# KiCad board Soldered Inkplate 6 FLICK_panel.kicad_pcb (continued)
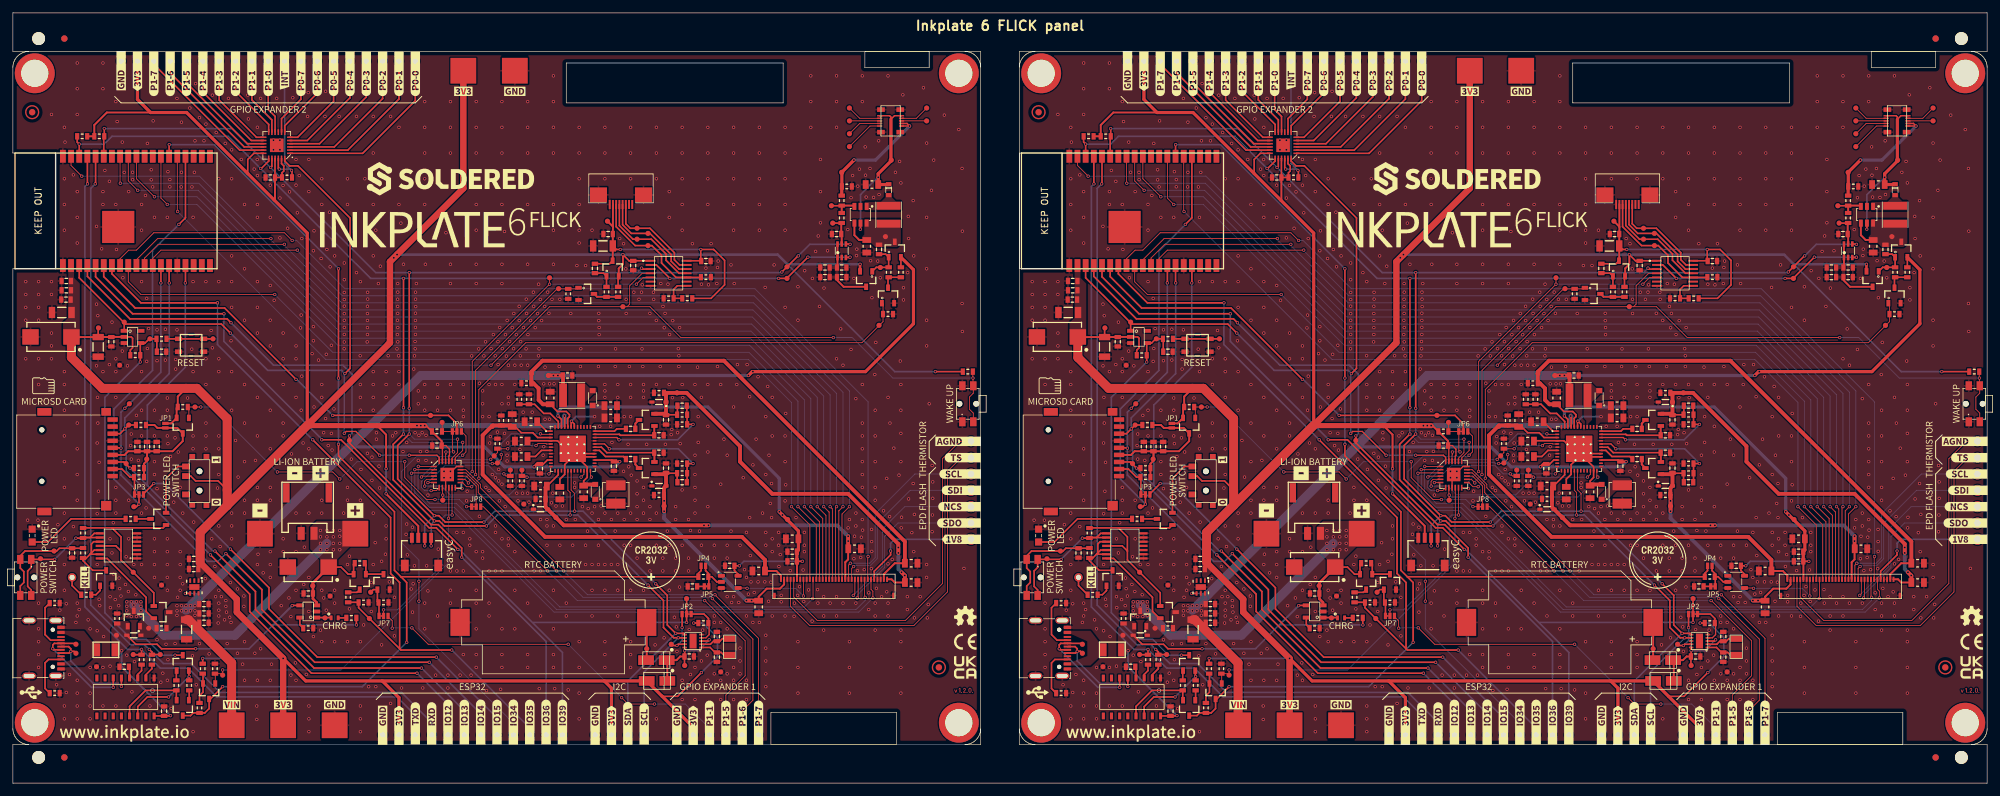
[diagram p0: board, top side]
## Routing (per net, layer and track width the routed paths; a pad name or vN(x,y) marks a point on that pad's centre or on a via; arc(x,y) is an arc through that point) (continued)
Board_1-GPB4: length 40.8
  Top w0.127: v1(228.3,48) 228.3,64.2 240.98,76.88 R46.2 244.13,76.88 Q11.1 ; U13.14 226.65,47.25 227.19,46.71 v1(227.19,46.69)
  Bottom w0.127: v1(228.3,48) 227.19,46.89 v1(227.19,46.69)
Board_1-GPIO15: length 75.4
  Top w0.254: v1(222.2,19.6) 203.7,19.6 196.2,27.1 196.2,30.4 v1(190.2,36.4) ; JP2.3 176.7,45 v1(178.3,46.6)
  Bottom w0.254: v1(190.2,36.4) 180,46.6 v1(178.3,46.6) ; v1(222.2,19.6) 231.64,10.16 K39.1
Board_1-GPIO_0: length 187.1
  Top w0.254: 216.7,32.1 R58#2.1 262.93,32.63 263.35,33.05 JP4.1 ; 216.7,32.1 215.7,33.1 215.7,42.2 207,50.9 v1(207,52.7) ; 216.7,32.1 217.6,31.2 v1(217.6,21.9) ; v1(180.7,99.3) 180.68,99.28 U14.25 ; v1(207,80) v1(207,63) ; Q5.3 184,10.5 184.43,10.93 R21.1 186.23,10.93 186.9,11.6 Q1.3 187.1,13.1 v1(189,15)
  Bottom w0.254: v1(180.7,99.3) 187.7,99.3 v1(207,80) ; v1(217.6,21.9) 210.7,15 v1(189,15) ; v1(207,63) v1(207,52.7)
Board_1-GPIO_0_MOSFET: length 57.1
  Top w0.127: v1(224.09,41.19) 224.15,41.24 U13.10 ; TP14.TP 188.78,17.03 R19#2.2 187.85,16.98 Q1.1 ; 189,17.03 v1(189,17.6)
  Bottom w0.127: v1(224.09,41.19) 224.1,41.18 224.1,34.3 207.4,17.6 v1(189,17.6)
Board_1-GPIO_36: length 241
  Top w0.127: R41#2.1 305.58,63.03 v1(305.6,63) 305.6,61.85 SW3#2.2 305.65,60.65 305.05,60.05 305.05,58.15 305.65,57.55 SW3#2.2 ; v1(230.7,65) 239.8,74.1 251.85,74.1 ; v1(283.9,69.3) 260.2,69.3 255.4,74.1 251.85,74.1 ; U8.4 254.2,79.3 252.25,77.35 252.25,74.5 251.85,74.1
  Top w0.254: v1(208.7,54) 208.7,52.9 221.4,40.2 222.52,40.2 226.15,36.57 v1(226.15,35.15) ; U14.4 167.98,78.82 174.6,72.2 189.7,72.2 v1(190.3,71.6)
  Bottom w0.127: v1(305.6,63) 293.15,63 286.85,69.3 v1(283.9,69.3) ; v1(230.7,65) 207.5,65 ; 207.79,64.89 207.79,64.91
  Bottom w0.254: v1(226.15,35.15) 239.26,22.04 K38#2.1 ; v1(208.7,54) 209.1,54.4 209.1,63.6 208.58,64.12 208.56,64.12 207.69,65 196.9,65 v1(190.3,71.6)
Board_1-GPIO_39: length 141.4
  Top w0.254: v1(189.2,73) 175,73 169.25,78.75 U14.5 ; TP73.TP JP3#2.2 v1(261.1,25) ; v1(204.4,53.4) 207.4,53.4 221.1,39.7 222.2,39.7 v1(225.55,36.35)
  Bottom w0.254: v1(225.55,36.35) 225.77,36.35 241.8,20.32 K37.1 ; v1(189.2,73) 189.2,68.7 204.4,53.5 v1(204.4,53.4) ; v1(261.1,25) 237.3,25
Board_1-I2C_SCL: length 274.8
  Top w0.127: U1.17 242.65,45.55 243,45.2 v1(243,41.7) ; v1(226.3,53) 226.3,51.74 225.15,50.59 U13.19
  Top w0.254: R3.1 166.4,99.71 v1(166.71,99.39) U14.36 ; v1(221.4,36.9) K2#2.1 ; v1(194.9,95.6) 195,95.6 196.15,96.75 U15#2.19 ; v1(217.1,58.4) v1(217.1,78.5) ; v1(230,40) 223.45,40 222.67,40.78 v1(221.9,40.78) 215.5,47.18 215.5,52.7 v1(217.1,54.3) ; v1(255.1,30.8) 257.5,28.4 257.5,24.2 259.09,22.61 v1(259.81,22.61) 259.82,22.6 U7#2.7 ; 286.45,81.75 U9.3 ; v1(275.4,78.5) 276.65,78.5 v1(279.95,81.8) ; U8.2 256.4,80.6 v1(258.5,78.5)
  Bottom w0.127: v1(226.3,53) 226.29,52.99 218.41,52.99 v1(217.1,54.3)
  Bottom w0.254: K4.1 254.5,17.3 v1(259.81,22.61) ; v1(166.71,99.39) 170.59,99.39 171.8,100.6 189.9,100.6 212,78.5 v1(217.1,78.5) v1(275.4,78.5) ; v1(221.4,36.9) 221.4,40.28 v1(221.9,40.78) ; v1(230,40) 231.7,41.7 v1(243,41.7) 244.2,41.7 v1(255.1,30.8) ; v1(217.1,54.3) v1(217.1,58.4) ; v1(286.5,81.8) v1(279.95,81.8)
Board_1-I2C_SCL_B: length 15.7
  Top w0.254: K12.3 251.65,87 252.35,86.3 255.4,86.3 259.2,82.5 259.2,81.4 260,80.6 U8.13
Board_1-I2C_SDA: length 271.1
  Top w0.127: v1(225.5,53.5) 225.5,51.4 224.65,50.55 U13.20 ; U1.18 243.15,45.6 243.7,45.05 v1(243.7,42.3)
  Top w0.254: U14.33 170.52,100.52 R4.1 170.61,101.8 v1(170.6,101.8) ; v1(229.6,40.6) 229.59,40.61 223.59,40.61 222.6,41.6 v1(221.9,41.6) 216.2,47.3 216.2,52.5 v1(218,54.3) ; v1(286.5,83.8) 286.45,83.85 U9.4 ; v1(278.45,82) 278.4,82 v1(275.9,79.5) ; v1(256.3,31) 258.1,29.2 258.1,24.6 v1(259.4,23.3) 260.6,23.3 U7#2.6 ; v1(196.45,95.75) 196.65,95.95 U15#2.20 ; v1(254.1,80.1) 254.25,79.95 U8.3 ; v1(218,58.3) v1(218,79.4) ; v1(220.4,36.9) K2#2.2
  Bottom w0.127: v1(218,54.3) 218.8,53.5 v1(225.5,53.5)
  Bottom w0.254: v1(278.45,82) 280.25,83.8 v1(286.5,83.8) ; 253.4,79.4 212.8,79.4 v1(196.45,95.75) 190.4,101.8 v1(170.6,101.8) ; 253.4,79.4 275.8,79.4 v1(275.9,79.5) ; 253.4,79.4 v1(254.1,80.1) ; v1(218,54.3) v1(218,58.3) ; K5.1 251.96,15.86 v1(259.4,23.3) ; v1(221.9,41.6) 220.4,40.1 v1(220.4,36.9) ; v1(229.6,40.6) 231.3,42.3 v1(243.7,42.3) 245,42.3 256.3,31 v1(256.3,31)
Board_1-I2C_SDA_B: length 16.6
  Top w0.254: U8.12 259.91,79.95 258.7,81.16 258.7,82.2 255.4,85.5 252.51,85.5 251.15,86.86 K12.4
Board_1-INT: length 28.8
  Top w0.127: v1(230.9,49.7) 231.6,49.7 232.3,50.4 v1(232.3,51.1) ; v1(238.39,54.33) 238.46,54.25 U1.2 ; U13.7 222.2,45.5 v1(221.4,45.5)
  Bottom w0.127: v1(238.39,54.33) 233.83,54.33 232.3,52.8 v1(232.3,51.1) ; v1(221.4,45.5) 220.38,45.5 219.89,45.99 219.89,46.89 222.9,49.9 230.18,49.9 230.38,49.7 v1(230.9,49.7)
Board_1-INTB: length 9
  Top w0.127: TP59.TP 223.1,54.73 R59.2 JP6#2.1 224.7,51.7 v1(224.89,51.51) ; v1(223.7,51.5) 223.7,51.1 223.65,51.05 U13.22
  Bottom w0.127: v1(223.7,51.5) 223.71,51.51 v1(224.89,51.51)
Board_1-IO34: length 67.3
  Top w0.254: v1(206.1,57.2) 224.1,57.2 225.4,55.9 JP6#2.2 ; U14.6 170.52,78.78 175.4,73.9 189.3,73.9 v1(200.4,62.8)
  Bottom w0.254: v1(206.1,57.2) 200.5,62.8 v1(200.4,62.8)
Board_1-MANUAL_RST: length 63.8
  Top w0.254: C26.2 178.77,69.06 R26.2 177.6,69.1 176.95,68.45 U3.4 176.2,68.35 R29.1 v1(176.2,65.5) ; Q4#2.3 v1(181.6,19.9)
  Bottom w0.254: v1(181.6,19.9) 179.6,19.9 177.1,22.4 174.8,22.4 170.7,26.5 170.7,60 v1(176.2,65.5)
Board_1-Net-(C18-Pad1): length 1.6
  Top w0.3: C18#2.1 253.13,49.57 D6#2.3
Board_1-Net-(C19-Pad2): length 1.6
  Top w0.3: D7#2.3 253.13,55.93 C19#2.2
Board_1-Net-(C23-Pad2): length 1.8
  Top w0.254: C23#2.2 174.54,18 U2.4
Board_1-Net-(C43-Pad1): length 3.7
  Top w0.254: R48#2.1 Q12#2.1 248.18,79.32 C43.1
Board_1-Net-(C46-Pad1): length 8.5
  Top w0.3: U9.6 U9.1 284.55,80.28 ; Q13#2.3 285.5,77.2 284.47,78.23
Board_1-Net-(C61-Pad2): length 1.1
  Top w0.254: JP5.1 C61.2
Board_1-Net-(D8-Pad1): length 16
  Top w0.254: R32.2 165.45,41.1 161.85,37.5 D8.1
Board_1-Net-(D10-Pad1): length 1.3
  Top w0.254: D10#2.1 R38.2
Board_1-Net-(JP2-Pad1): length 6.6
  Top w0.254: K9#2.2 173.35,48.85 174.6,47.6 R42.1 175.3,47.53 JP2.1
Board_1-Net-(JP3-Pad1): length 6.9
  Top w0.2: U7#2.4 264.1,22.6 264.6,23.1 264.6,24.9 264.5,25
  Top w0.254: 264.5,25 264.5,25.6 263.8,26.3 JP3#2.1
Board_1-Net-(JP4-Pad2): length 5.8
  Top w0.254: JP5.2 264.55,32.03 R58#2.2 ; R58#2.2 265,32.1 265.8,31.3 U12.2 ; R58#2.2 264.48,32.63 264.05,33.05 JP4.2
Board_1-Net-(JP6-Pad3): length 62.9
  Top w0.127: v1(219.5,28.3) v1(219.5,31.4) ; JP6#2.3 226.81,53.99 226.81,51.51 v1(226.3,51)
  Bottom w0.127: v1(226.3,51) 226.1,50.8 219.1,50.8 216.8,48.5 216.8,37.4 219.5,34.7 v1(219.5,31.4) ; v1(219.5,28.3) 219.5,24 234.18,9.32 K16.1
Board_1-Net-(JP7-Pad2): length 6.3
  Top w0.127: U13.15 226.85,47.75 228.4,46.2 JP7.2
Board_1-Net-(JP7-Pad3): length 65.6
  Top w0.127: JP7.3 229.5,43 v1(239.5,33) ; v1(263.9,28.39) 263.96,28.39 270.2,22.14 270.2,16.7 267.2,13.7 K27.1
  Bottom w0.127: v1(239.5,33) 244.11,28.39 v1(263.9,28.39)
Board_1-Net-(JP8-Pad2): length 26.3
  Top w0.127: U13.11 224.65,41.71 v1(224.66,41.7) ; v1(214,26.95) JP8.2
  Bottom w0.127: v1(224.66,41.7) 223.6,41.7 223.2,41.3 223.2,34 216.15,26.95 v1(214,26.95)
Board_1-Net-(JP8-Pad3): length 58.9
  Top w0.127: v1(251,13.3) 252,12.3 v1(256.1,12.3) ; v1(215.35,24.1) 215.35,25.25 214.7,25.9 ; v1(218.4,24.15) 220.95,21.6 v1(242.7,21.6)
  Bottom w0.127: K28.1 264.66,8.54 260.9,12.3 v1(256.1,12.3) ; v1(215.35,24.1) 215.4,24.15 v1(218.4,24.15) ; v1(251,13.3) v1(242.7,21.6)
Board_1-Net-(K1-PadA5): length 8
  Top w0.254: K1.A5 162.26,22.24 161.4,23.1 161.4,27.28 R18.1
Board_1-Net-(K1-PadB5): length 7.7
  Top w0.254: R17#2.1 161.4,14.73 161.4,18.7 161.94,19.24 K1.B5
Board_1-Net-(K7-Pad1): length 3.3
  Top w0.254: R34#2.2 165.6,30.73 K7#2.1
Board_1-Net-(K11-Pad2): length 6
  Top w0.127: K11.2 289.6,102.2 TP1#2.TP
Board_1-Net-(K11-Pad4): length 5.4
  Top w0.127: K11.4 288,102.6 TP2.TP
Board_1-Net-(K11-Pad5): length 3.9
  Top w0.127: K11.5 TP3#2.TP
Board_1-Net-(K11-Pad6): length 4.7
  Top w0.127: K11.6 TP4.TP
Board_1-Net-(K11-Pad7): length 4.6
  Top w0.127: K11.7 296.8,103.4 TP5.TP
Board_1-Net-(K11-Pad8): length 5.4
  Top w0.127: TP6#2.TP 288,103.4 K11.8
Board_1-Net-(K14-Pad1): length 19.4
  Top w0.254: v1(292.8,36.1) 292.8,35.5 290.25,32.95 K15#2.30
  Bottom w0.254: v1(292.8,36.1) 292.8,37.3 293.42,37.92 K14#2.1
Board_1-Net-(K14-Pad2): length 28.6
  Top w0.127: v1(287.6,28.8) 287.75,28.95 K15#2.25
  Bottom w0.127: v1(287.6,28.8) 287.6,29.25 291.85,33.5 291.85,38.35 293.96,40.46 K14#2.2
Board_1-Net-(K14-Pad3): length 30
  Top w0.127: v1(287,29.2) 287.25,29.45 K15#2.24
  Bottom w0.127: K14#2.3 295,43 291.52,39.52 291.52,33.72 v1(287,29.2)
Board_1-Net-(K14-Pad4): length 28.5
  Top w0.127: K15#2.23 286.75,33.39 v1(287.05,33.69)
  Bottom w0.127: K14#2.4 295.84,45.54 290.73,40.43 290.73,34.91 289.69,33.87 287.24,33.87 v1(287.05,33.69)
Board_1-Net-(K14-Pad5): length 31.1
  Top w0.127: K15#2.22 286.25,33.9 v1(286.55,34.2)
  Bottom w0.127: K14#2.5 296.58,48.08 290.4,41.9 290.4,35.05 289.55,34.2 v1(286.55,34.2)
Board_1-Net-(K29-Pad1): length 29
  Top w0.254: K29#2.1 218.94,106.14 210.75,97.95 U15#2.1
Board_1-Net-(K30-Pad1): length 26.1
  Top w0.254: U15#2.2 208.45,98.45 216.4,106.4 K30.1
Board_1-Net-(K31-Pad1): length 23.4
  Top w0.254: U15#2.3 206.35,98.95 213.86,106.46 K31.1
Board_1-Net-(K32-Pad1): length 20.5
  Top w0.254: K32#2.1 211.32,106.72 204.05,99.45 U15#2.4
Board_1-Net-(K33-Pad1): length 17.8
  Top w0.254: U15#2.5 202.15,99.95 208.78,106.58 K33#2.1
Board_1-Net-(K34-Pad1): length 15.4
  Top w0.254: U15#2.6 200.65,100.45 206.24,106.04 K34.1
Board_1-Net-(K35-Pad1): length 13.1
  Top w0.254: K35#2.1 203.7,107.3 198.65,102.25 U15#2.7
Board_1-Net-(K36-Pad1): length 12.3
  Top w0.254: K36#2.1 201.16,106.36 198.15,103.35 U15#2.8
Board_1-Net-(K43-Pad1): length 11.5
  Top w0.254: K43.1 196.08,104.77 197.15,103.7 U15#2.10
Board_1-Net-(K44-Pad1): length 12.3
  Top w0.254: K44#2.1 193.54,106.26 196.65,103.15 U15#2.11
Board_1-Net-(K45-Pad1): length 13.2
  Top w0.254: K45#2.1 191,107.6 196.15,102.45 U15#2.12
Board_1-Net-(K46-Pad1): length 15.3
  Top w0.254: U15#2.13 194.25,100.45 188.46,106.24 K46#2.1
Board_1-Net-(K47-Pad1): length 17.4
  Top w0.254: K47#2.1 185.92,107.48 193.45,99.95 U15#2.14
Board_1-Net-(K48-Pad1): length 19.3
  Top w0.254: K48#2.1 183.38,108.92 192.85,99.45 U15#2.15
Board_1-Net-(K49-Pad1): length 21.1
  Top w0.254: K49.1 180.84,110.46 192.35,98.95 U15#2.16
Board_1-Net-(K50-Pad1): length 23.1
  Top w0.254: U15#2.17 191.65,98.45 178.3,111.8 K50#2.1
Board_1-Net-(Q1-Pad2): length 4.8
  Top w0.254: R20.1 185.95,16.98 Q1.2 185.95,14.15 185.4,13.6 R21.2
Board_1-Net-(Q2-Pad3): length 4.5
  Top w0.254: Q2#2.3 Q3.1 211.25,34.03 R25.1
Board_1-Net-(Q3-Pad3): length 2
  Top w0.254: Q3.3 209.88,29.68 R27#2.2
Board_1-Net-(Q4-Pad1): length 1.5
  Top w0.254: Q4#2.1 181.8,17.45 R30.1
Board_1-Net-(Q5-Pad1): length 1.5
  Top w0.254: Q5.1 183.8,12.95 R31.1
Board_1-Net-(Q6-Pad2): length 9.2
  Top w0.254: S1.3 182.05,49.25 180.2,47.4 Q6.2
Board_1-Net-(Q6-Pad3): length 2.3
  Top w0.254: R32.1 Q6.3
Board_1-Net-(Q8-Pad1): length 2.4
  Top w0.254: R34#2.1 169.3,29.3 169.95,29.95 Q8#2.1
Board_1-Net-(Q8-Pad3): length 12.2
  Top w0.254: U4.10 168.95,37.55 168.6,37.2 168.6,35.8 168.55,35.75 ; U4.13 168.4,35.6 ; 168.4,35.6 167.83,35.03 R37.2 167.3,34.6 168.8,33.1 Q8#2.3 ; 168.4,35.6 168.55,35.75 ; 168.55,35.75 169.05,36.25 U4.12
Board_1-Net-(Q11-Pad3): length 3.9
  Top w0.254: R47#2.1 R48#2.2 247.18,75.63 Q11.3
Board_1-Net-(Q14-Pad3): length 3.4
  Top w0.254: Q14.3 292.4,78.58 ; R53#2.1 R52.1
Board_1-Net-(R39-Pad1): length 1.9
  Top w0.254: R39.1 201,24.63 U6.5
Board_1-Net-(R49-Pad1): length 5
  Top w0.254: U8.8 259.65,77.35 259.08,76.78 R50#2.1 R49#2.1
Board_1-PWR-SW-A: length 20.5
  Top w0.254: 167.8,38.2 168.4,38.2 169.05,38.85 U4.8 ; v1(162.9,34.8) SW2.1 159.25,33.55 158.7,33 158.7,30.6 159.25,30.05 SW2.1 ; v1(166.2,38.1) 167.28,38.1 R35#2.1 167.38,38.2 U4.9
  Bottom w0.254: v1(162.9,34.8) v1(166.2,38.1)
Board_1-PWR-SW-B: length 16.9
  Top w0.254: SW2.2 157.55,30.65 158.1,31.2 158.1,32.9 157.55,33.45 SW2.2 157.55,35.35 158.3,36.1 163.2,36.1 163.63,36.53 C31#2.2 167.26,36.53 R37.1
Board_1-PWR_GOOD: length 27.5
  Top w0.127: U1.24 246.15,47.75 v1(246.3,47.6) ; U13.8 223.15,44.85 v1(223.2,44.8) TP40#2.TP
  Bottom w0.127: v1(246.3,47.6) 243.2,44.5 223.5,44.5 v1(223.2,44.8)
Board_1-PWRUP: length 31.3
  Top w0.127: TP36.TP R7.1 236.11,47.78 v1(236.3,47.59) ; v1(244.7,47.6) 245.15,48.05 U1.22 ; v1(220.4,46.2) 220.39,46.21 220.39,46.95 220.69,47.25 U13.5
  Bottom w0.127: v1(244.7,47.6) 244.69,47.59 v1(236.3,47.59) 233.54,44.83 224.37,44.83 223,46.2 v1(220.4,46.2)
Board_1-RST: length 116.1
  Top w0.2: v1(213.4,51) 209.7,54.7 208.2,54.7 v1(207.9,54.4) ; v1(218,51) 222.3,51 222.65,50.65 U13.24
  Top w0.254: 173.55,71.75 166.71,78.59 U14.3 ; 173.55,71.75 173.9,71.4 188.8,71.4 v1(190.2,70) ; 173.55,71.75 173.7,71.6 U3.1 ; v1(208,63.7) 208.8,64.5 208.8,87.9 200.7,96 199.4,96 198.65,96.75 U15#2.24
  Bottom w0.2: v1(213.4,51) v1(218,51) ; 207.9,63.6 v1(207.9,54.4)
  Bottom w0.254: 207.9,63.6 v1(208,63.7) 207.5,64.2 196,64.2 v1(190.2,70)
Board_1-RST-SW: length 7.2
  Top w0.254: R26.1 SW1#2.2 SW1#2.2 TP68#2.TP
Board_1-RTC-BATT: length 5.9
  Top w0.3: D12.1 254.9,19.23 K10.+
Board_1-RXD: length 134.8
  Top w0.254: v1(169.2,93.2) 169.25,93.25 U14.34 ; v1(177.6,20.8) 178,20.4 R23.2 178.03,20 179.2,20
  Bottom w0.254: K23.1 221.48,9.42 216.8,14.1 188.6,14.1 184.1,18.6 179.8,18.6 v1(177.6,20.8) 176.9,21.5 174.7,21.5 168.5,27.7 168.5,92.5 v1(169.2,93.2)
Board_1-SD_ENABLE: length 56
  Top w0.127: v1(207.2,47.3) 206.1,48.4 v1(197.5,48.4) ; v1(222,44.1) 220.7,44.1 217.3,47.5 v1(217.3,50) ; Q10#2.1 183.75,58.33 R40#2.2 v1(185.6,58.5) ; v1(226.9,43) JP7.1
  Bottom w0.127: v1(197.5,48.4) 187.4,58.5 v1(185.6,58.5) ; v1(217.3,50) 209.9,50 v1(207.2,47.3) ; v1(222,44.1) 225.8,44.1 v1(226.9,43)
Board_1-SPI_CS: length 62.8
  Top w0.254: TP54.TP 175.6,43 v1(176,43.4) JP2.2 ; v1(182.2,86.9) 183.22,87.92 U14.23
  Bottom w0.254: v1(176,43.4) 172.1,47.3 172.1,58.2 178.1,64.2 178.1,82.8 v1(182.2,86.9)
Board_1-SPI_MISO: length 110.5
  Top w0.254: U14.14 180.68,77.82 v1(180.7,77.8) ; v1(219.2,17.1) 202.8,17.1 193.2,26.7 193.2,29.4 v1(187.1,35.5) ; R45.1 TP57.TP 173.05,54.35 K9#2.7
  Bottom w0.254: v1(219.2,17.1) 224.02,12.28 K25#2.1 ; v1(187.1,35.5) 174,48.6 174,54.9 v1(173.8,55.1) 173.8,56.8 180.7,63.7 v1(180.7,77.8)
Board_1-SPI_MOSI: length 113.4
  Top w0.254: U14.16 183.22,77.82 v1(183.2,77.8) ; K9#2.3 173.65,49.95 v1(174.6,49) R43.1 ; v1(219.9,17.9) 203.2,17.9 194.1,27 194.1,29.8 v1(187.8,36.1)
  Bottom w0.254: v1(187.8,36.1) 187.5,36.1 v1(174.6,49) ; v1(219.9,17.9) 226.56,11.24 K26#2.1 ; v1(183.2,77.8) 183.2,64.7 177.3,58.8 177.3,46.3
Board_1-SPI_SCK: length 114.9
  Top w0.127: TP56#2.TP v1(173.8,58.3)
  Top w0.254: v1(189.5,35.7) 195.1,30.1 195.1,27 203.3,18.8 v1(221.1,18.8) ; K9#2.5 173.15,52.15 v1(173.2,52.1) ; U14.13 179.41,77.81 v1(179.4,77.8)
  Bottom w0.254: K24.1 229.1,10.8 v1(221.1,18.8) ; v1(179.4,77.8) 179.4,63.9 v1(173.8,58.3) 173.2,57.7 v1(173.2,52.1) 173.2,47.9 186.6,34.5 188.3,34.5 v1(189.5,35.7)
Board_1-SW_IN: length 13.5
  Top w0.254: U4.14 171.05,34.95 177.1,28.9 177.1,26.7 178.15,25.65 Q9#2.2
Board_1-SW_OUT_D: length 31.6
  Top w0.254: U4.11 172.4,36.9 173.2,36.1 ; 171.8,39.7 173.2,38.3 173.2,36.1 ; 171.8,39.7 167.33,39.7 R35#2.2 ; 171.8,39.7 179.75,39.7 Q6.1 ; Q9#2.1 178.3,29.6 173.2,34.7 173.2,36.1
Board_1-TOUCH_INT_B: length 17.4
  Top w0.254: K12.5 250.65,86.71 252.77,84.6 255.6,84.6 257.9,82.3 257.9,81.32 259.92,79.3 U8.11
Board_1-TOUCH_RESET: length 55.7
  Top w0.127: U13.12 226.05,45.95 v1(226.2,45.8) ; v1(253.3,77.6) 254.35,78.65 U8.5 ; TP21.TP v1(239.8,77.6) 227.78,65.58 v1(227.78,48.47)
  Bottom w0.127: v1(226.2,45.8) 226.2,46.89 v1(227.78,48.47) ; v1(239.8,77.6) v1(253.3,77.6)
Board_1-TOUCH_RESET_B: length 20.6
  Top w0.254: R57#2.1 263.28,78.65 U8.10 259.45,78.65 257.2,80.9 257.2,82.1 255.7,83.6 253.1,83.6 250.15,86.55 K12.6
Board_1-TS: length 55.3
  Top w0.127: K15#2.4 277.25,27.5 280.25,24.5 296.4,24.5 301.65,29.75 301.65,48.5 303.77,50.62 K13#2.2
Board_1-TXD: length 133.8
  Top w0.254: v1(168,93.2) 167.98,93.22 U14.35 ; v1(176.4,20.8) R22#2.2 175.13,19.98 TP16#2.TP
  Bottom w0.254: K20.1 218.94,10.56 216.1,13.4 188.1,13.4 183.6,17.9 179.3,17.9 v1(176.4,20.8) 174.2,20.8 167.6,27.4 167.6,92.8 v1(168,93.2)
Board_1-V_BAT: length 123
  Top w0.254: 216.55,20.85 210.13,27.28 R28#2.2 210.1,28.13 R27#2.1 ; 216.55,20.85 216.5,20.9 216.5,31.2 215.1,32.6 215.1,41.3 v1(203,53.4) ; 216.55,20.85 216.7,20.7 v1(224.6,20.7) ; v1(188.2,74.7) 176.3,74.7 171.79,79.21 U14.7
  Bottom w0.254: v1(203,53.4) 188.2,68.2 v1(188.2,74.7) ; K19#2.1 236.72,8.58 v1(224.6,20.7)
Board_1-V_BAT_MOS: length 5.5
  Top w0.254: TP60.TP 212.4,30.1 Q2#2.1 213.05,28.28 R24#2.2 213.3,28.03 213.3,25.9
Board_1-VBAT: length 51.2
  Top w0.254: C32#2.1 207.4,33.6 208.5,32.5 Q3.2 209.35,34.03 R25.2
  Top w0.4: U6.3 203.6,28.1 203.03,28.67 C33#2.2 203.03,31.16 C32#2.1
  Bottom w1.4: v1(175.2,27.7) 179.9,23 190.9,23 v1(205.2,37.3)
  vias: v1(174.1,28.2) v1(174.1,27.5) v1(174.1,26.8) v1(174.1,26.1) v1(174.8,28.2) v1(174.8,25.9) v1(175.6,28.2) v1(175.6,25.9) v1(176.3,28.2) v1(176.3,27.5) v1(176.3,26.8) v1(176.3,26.1) v1(204.2,39.3) v1(204.2,38.3) v1(204.2,37.3) v1(204.2,36.3) v1(205.2,39.3) v1(205.2,38.3) v1(205.2,36.3) v1(206.2,39.3) v1(206.2,38.3) v1(206.2,37.3) v1(206.2,36.3) v1(207.2,39.3) v1(207.2,38.4) v1(207.2,37.3) v1(207.2,36.3)
Board_1-VCOM: length 63.7
  Top w0.254: C6#2.2 239.4,46.2 241.15,47.95 U1.14
  Top w0.3: 286.2,36.45 286.2,34.8 285.75,34.35 K15#2.21
  Top w0.6: 286.2,36.45 v1(286.2,38.4) ; C6#2.2 239.18,46 R11#2.2 239.18,42.93 D3.1 242,40.1 v1(264.5,40.1)
  Bottom w0.6: v1(263.8,40.1) 284.5,40.1 v1(286.2,38.4) v1(286.2,37.65)
Board_1-VCOM_CTRL: length 24.7
  Top w0.127: v1(239.7,48.1) 240,48.4 U1.12 ; v1(220.9,46.74) 220.91,46.75 U13.6 ; v1(232.7,48.1) 233.03,47.78 R6.1 TP38#2.TP
  Bottom w0.127: v1(220.9,46.74) 223.54,49.37 230.33,49.37 231.6,48.1 v1(232.7,48.1) v1(239.7,48.1)
Board_1-VDDH: length 67.2
  Top w0.254: C16#2.2 259.67,57.35 R13.2 257.97,57.3 C14#2.2
  Top w0.3: K15#2.34 292.95,31.7 293.45,31.2 C60.2
  Top w0.6: v1(294.5,32.8) 295.03,32.28 C60.2 ; D7#2.2 257.68,57.45 C14#2.2 D2.2 257.9,60.38 R10#2.2 261.1,60.7 269.4,52.4 269.4,50 274.4,45 286.2,45 294,37.2 v1(294,35.8)
  Bottom w0.6: v1(295,32.3) 294,33.3 v1(294,36.65)
Board_1-VEE: length 40.9
  Top w0.254: C15#2.2 257.97,48.2 R15#2.2 259.63,46.85 C17.2
  Top w0.3: K15#2.2 276.25,30.9 275.6,30.25 273.55,30.25 272.3,29 C57.2 272.28,28.4
  Top w0.6: v1(257.6,42.3) 257.6,44.78 R12.2 257.58,45.9 D5.1 C15#2.2 257.68,48.05 D6#2.1 ; v1(270.4,28.4) 272.28,28.4
  Bottom w0.6: v1(271.2,28.4) v1(270.4,28.4) 257.6,41.2 v1(257.6,42.3) v1(257.6,43.9)
Board_1-VIN: length 224.2
  Top w0.254: v1(183.2,29.5) 183.21,29.51 U5#2.4 ; C5#2.2 238.83,49.63 239.45,50.25 U1.10 ; 249.7,50.03 249.48,50.25 U1.27 ; R52.2 Q15.2
  Top w0.4: v1(237.4,49.2) 237.83,49.63 C5#2.2 ; v1(250.7,50) 249.73,50 249.7,50.03
  Top w0.5: v1(270.7,63.4) 271.3,64 288.9,64 296.35,71.45 296.35,79.85 Q15.2
  Top w0.6: L2.1 241.9,63.37 C10#2.2 TP23.TP
  Top w1.4: PAD1#2.1 190.4,18.7 183.68,25.43 C27.2
  Bottom w0.254: 185.75,29.35 185.6,29.5 v1(183.2,29.5)
  Bottom w0.5: v1(271.4,64) 271.3,64 v1(270.7,63.4) v1(241.1,63.4) ; 208.7,52.3 229.7,52.3 232.8,49.2 v1(237.4,49.2) 249.9,49.2 v1(250.7,50)
  Bottom w1: 183.3,26.9 v1(183.3,26.8)
  Bottom w1.4: v1(241.1,63.4) 219.8,63.4 183.3,26.9
  vias: v1(181.9,27.6) v1(181.9,26.8) v1(181.9,26.1) v1(182.6,27.6) v1(182.6,26.8) v1(183.3,27.6) v1(184,27.6) v1(184,26.8) v1(184.7,27.6) v1(184.7,26.8) v1(184.7,26.1) v1(240.4,63.4)
Board_1-VIN_BCK: length 4.1
  Top w0.3: U10.4 287.18,85.23 287.93,84.48 C54.2
Board_1-VNEG: length 72.6
  Top w0.254: U1.3 237.95,53.75 237.2,54.5 235.4,54.5 234.48,55.43 C2.2
  Top w0.3: C56#2.2 275.05,33 275.75,32.3 K15#2.1
  Top w0.6: C2.2 233.8,55.63 R8.1 230.93,55.63 229.4,54.1 229.4,48 239.1,38.3 269.7,38.3 273.28,34.73 C56#2.2
Board_1-VPOS: length 91.4
  Top w0.254: C13.2 241.03,57.8 242.4,57.8 242.9,57.3 242.9,57 242.62,56.72 242.62,55.43 U1.44
  Top w0.3: K15#2.33 291.75,32.5 293.45,34.2 C59#2.2
  Top w0.6: C13.2 238.78,58.93 238.1,59.6 238.1,61.4 237.3,62.2 R9.1 236.98,63.98 238.7,65.7 266.9,65.7 295.03,37.58 C59#2.2
Board_1-VUSB: length 60.5
  Top w0.254: v1(209.8,24.6) 209.78,24.63 R38.1 ; v1(184.8,20.9) 179.5,20.9 178.8,21.6 175.5,21.6 D9#2.1 ; v1(180.9,10.5) 180.87,10.47 C22#2.2 179.88,10.45 U2.16 ; v1(199.8,27.6) 199.85,27.65 U6.4
  Bottom w0.254: v1(209.8,24.6) 196.9,24.6 196.85,24.65 193.1,20.9 v1(184.8,20.9)
  Bottom w0.3: 196.85,24.65 v1(199.8,27.6) ; v1(180.9,10.5) 173.3,18.1 v1(173.3,20.6)
Board_1-WAKEUP: length 24.7
  Top w0.127: v1(230.66,50.36) 231.7,51.4 R5#2.1 231.73,52 v1(233.3,52) ; v1(219.89,47.61) 220.03,47.75 U13.4 ; U1.5 239.3,52.75 239.21,52.84 238.04,52.84 v1(237.7,52.5)
  Bottom w0.127: v1(219.89,47.61) 222.58,50.3 230.6,50.3 v1(230.66,50.36) ; v1(237.7,52.5) 233.8,52.5 v1(233.3,52)

## Copper pours and planes (outline as drawn; the poured copper is in the pictures)
Board_0-3V3 on Top: 9.5,78.6 10.4,77.7 10.4,68.2 7.8,68.2 7.8,71.6 8.6,72.4 8.6,81.5 9.5,81.5
Board_0-3V3 on Top: 29.8,35.9 29.8,32.7 29,31.9 29,31.2 28.7,31.2 28.7,31.9 28.4,32.2 28.4,35.9 28.7,36.2 29.5,36.2
Board_0-/POWER/VB on Top: 92.4,56.1 90.3,56.1 89.9,55.7 89.9,55.1 89.6,55.1 89.6,59.2 90.6,59.2 90.8,59.4 92.4,59.4
Board_0-/POWER/VB_SW on Top: 89.6,61.5 90.7,61.5 90.7,60.6 90.3,60.6 89,59.3 89,56.5 88.4,55.9 88.4,55.1 88.1,55.1 88.1,56.4 87.7,56.8 87.7,62.2 88.9,62.2
Board_0-/POWER/VN_SW on Top: 92.7,47.5 94.8,47.5 95.2,47.1 95.2,45.5 92.8,45.5 91,43.7 90,43.7 90,44.5 91.5,46 91.5,47.7 90.1,49.1 90.1,49.4 90.8,49.4
Board_0-GND on Top, Bottom: 150.4,6 0,6 0,113.8 150.4,113.8
Board_0-Net-(C46-Pad1) on Top: 128.4,78.2 126.6,78.2 126.6,80.7 128.4,80.7
Board_0-Net-(D13-Pad1) on Top: 136.6,91.1 137.2,90.5 138,90.5 138,89.1 132.4,89.1 132.4,90.3 132.5,90.4 134.9,90.4 135.6,91.1 135.6,91.8 136.6,91.8
Board_0-Net-(F1-Pad2) on Top: 11.06,23.69 12.56,21.73 13.56,21.73 13.56,19.73 12.56,19.73 11.05,18.29 6.9,18.29 6.9,18.79 8.05,18.79 10.57,19.77 10.56,22.06 8.05,23.19 6.9,23.19 6.9,23.69
Board_0-SW_IN on Top: 22.4,25.3 22.7,25 22.7,23.5 21.8,22.6 19.4,22.6 19.4,24.9 20.5,26 22.4,26
Board_0-VBAT on Top: 55.3,36.8 52.4,36.8 50.4,34.8 50.4,32.4 47.8,32.4 47.8,34.8 46.2,36.4 46.2,39.8 47.2,40.8 55.3,40.8
Board_0-VBAT on Top, Bottom: 20.2,28.3 20.2,25.8 20,25.6 17.6,25.6 17.4,25.8 17.4,28.3 17.6,28.5 20,28.5
Board_0-VBAT on Bottom: 51.2,39.4 51.2,36.2 50.7,35.7 47.8,35.7 47.3,36.2 47.3,39.4 47.8,39.9 50.7,39.9
Board_0-VIN on Top: 29,29.2 29.3,28.9 29.3,24.4 25.1,24.4 24.3,23.6 23.5,23.6 23.5,26.8 24.7,28 27.9,28 28.7,28.8 28.7,29.8 29,29.8
Board_0-VIN on Bottom: 29.2,27.7 29.2,26 29,25.8 25.1,25.8 24.9,26 24.9,27.7 25.1,27.9 29,27.9
Board_0-VIN_BCK on Top: 138,87.7 138,84 137.4,83.4 134,83.4 133.4,84 132,84 132,85 132.3,85.3 132.3,87.7
Board_0-VUSB on Top: 18.2,24.9 18.2,21.5 16.4,19.7 15.3,19.7 15.3,24 15.7,24.4 15.7,25.2 17.9,25.2
Board_1-3V3 on Top: 186.2,35.9 186.2,32.7 185.4,31.9 185.4,31.2 185.1,31.2 185.1,31.9 184.8,32.2 184.8,35.9 185.1,36.2 185.9,36.2
Board_1-3V3 on Top: 165.9,78.6 166.8,77.7 166.8,68.2 164.2,68.2 164.2,71.6 165,72.4 165,81.5 165.9,81.5
Board_1-/POWER/VB on Top: 248.8,56.1 246.7,56.1 246.3,55.7 246.3,55.1 246,55.1 246,59.2 247,59.2 247.2,59.4 248.8,59.4
Board_1-/POWER/VB_SW on Top: 246,61.5 247.1,61.5 247.1,60.6 246.7,60.6 245.4,59.3 245.4,56.5 244.8,55.9 244.8,55.1 244.5,55.1 244.5,56.4 244.1,56.8 244.1,62.2 245.3,62.2
Board_1-/POWER/VN_SW on Top: 249.1,47.5 251.2,47.5 251.6,47.1 251.6,45.5 249.2,45.5 247.4,43.7 246.4,43.7 246.4,44.5 247.9,46 247.9,47.7 246.5,49.1 246.5,49.4 247.2,49.4
Board_1-GND on Top, Bottom: 306.8,6 156.4,6 156.4,113.8 306.8,113.8
Board_1-Net-(C46-Pad1) on Top: 284.8,78.2 283,78.2 283,80.7 284.8,80.7
Board_1-Net-(D13-Pad1) on Top: 293,91.1 293.6,90.5 294.4,90.5 294.4,89.1 288.8,89.1 288.8,90.3 288.9,90.4 291.3,90.4 292,91.1 292,91.8 293,91.8
Board_1-Net-(F1-Pad2) on Top: 167.46,23.69 168.96,21.73 169.96,21.73 169.96,19.73 168.96,19.73 167.45,18.29 163.3,18.29 163.3,18.79 164.45,18.79 166.97,19.77 166.96,22.06 164.45,23.19 163.3,23.19 163.3,23.69
Board_1-SW_IN on Top: 178.8,25.3 179.1,25 179.1,23.5 178.2,22.6 175.8,22.6 175.8,24.9 176.9,26 178.8,26
Board_1-VBAT on Top: 211.7,36.8 208.8,36.8 206.8,34.8 206.8,32.4 204.2,32.4 204.2,34.8 202.6,36.4 202.6,39.8 203.6,40.8 211.7,40.8
Board_1-VBAT on Top, Bottom: 176.6,28.3 176.6,25.8 176.4,25.6 174,25.6 173.8,25.8 173.8,28.3 174,28.5 176.4,28.5
Board_1-VBAT on Bottom: 207.6,39.4 207.6,36.2 207.1,35.7 204.2,35.7 203.7,36.2 203.7,39.4 204.2,39.9 207.1,39.9
Board_1-VIN on Top: 185.4,29.2 185.7,28.9 185.7,24.4 181.5,24.4 180.7,23.6 179.9,23.6 179.9,26.8 181.1,28 184.3,28 185.1,28.8 185.1,29.8 185.4,29.8
Board_1-VIN on Bottom: 185.6,27.7 185.6,26 185.4,25.8 181.5,25.8 181.3,26 181.3,27.7 181.5,27.9 185.4,27.9
Board_1-VIN_BCK on Top: 294.4,87.7 294.4,84 293.8,83.4 290.4,83.4 289.8,84 288.4,84 288.4,85 288.7,85.3 288.7,87.7
Board_1-VUSB on Top: 174.6,24.9 174.6,21.5 172.8,19.7 171.7,19.7 171.7,24 172.1,24.4 172.1,25.2 174.3,25.2

## Text on the board
F.Silkscreen: Inkplate 6 FLICK panel
User.8: V-CUT
User.9: CUTOUT
